# KiCad board AnalogFNN.kicad_pcb (continued)
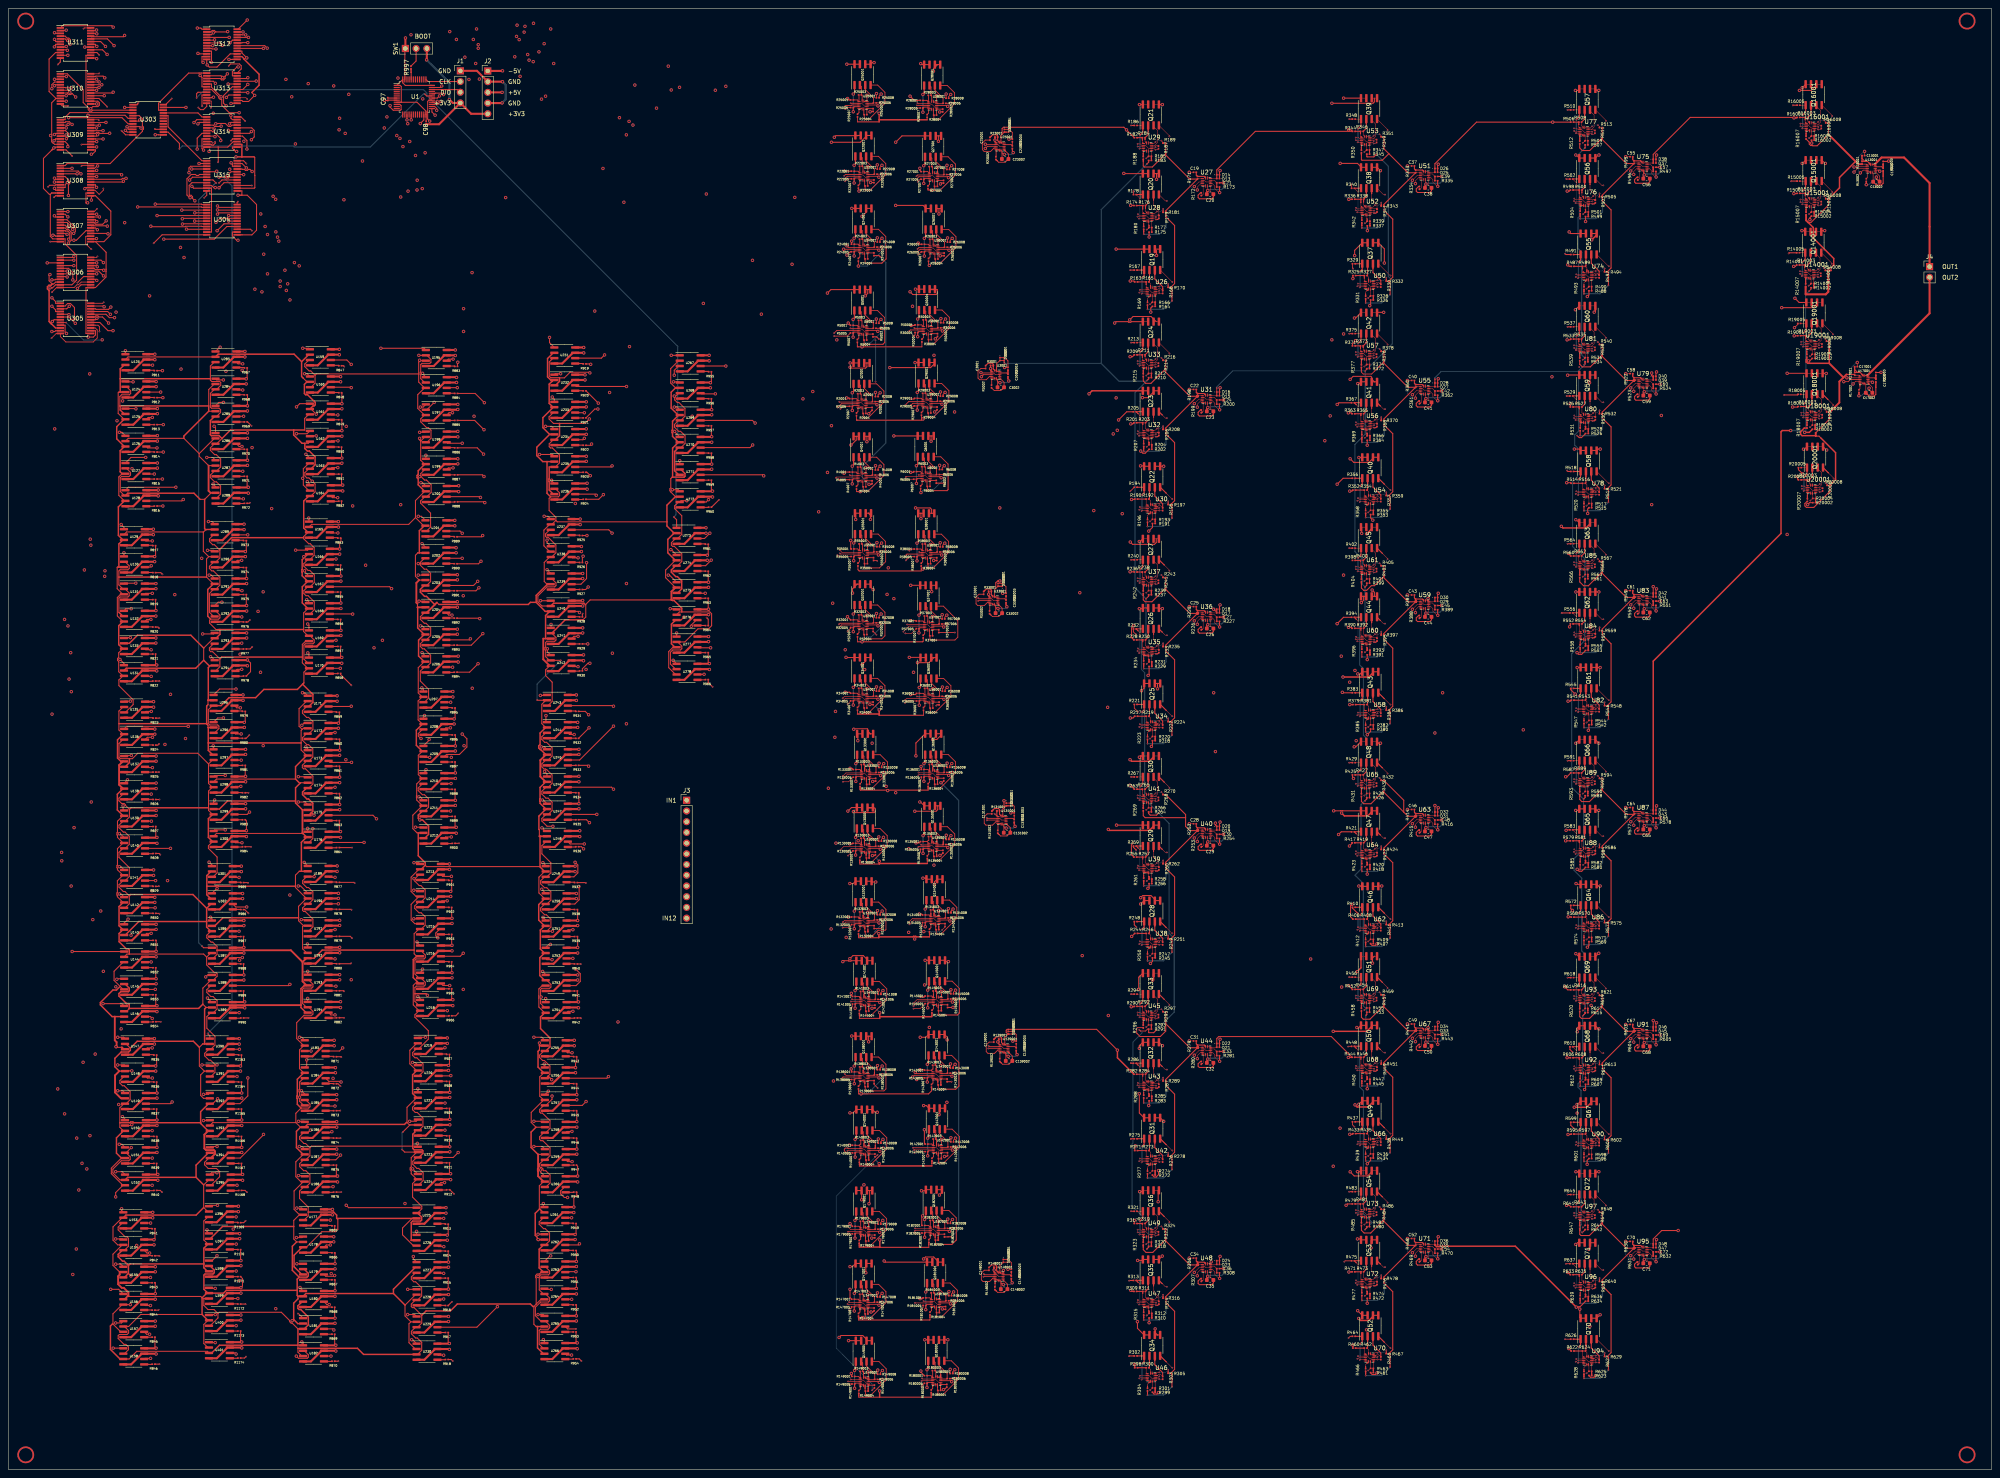
[diagram p0: board, top side]
## Routing (per net, layer and track width the routed paths; a pad name or vN(x,y) marks a point on that pad's centre or on a via; arc(x,y) is an arc through that point) (continued)
/Neuron6_3/Adder2/SUM_IN: length 74.7
  Top w0.1: U36.1 281.91,203.15
  Top w0.25: 274.28,209.07 274.28,208.73 279.98,203.03 R225.1 274.28,195.51 R235.2 274.36,195.07 v2(274.36,194.05) 276.38,192.03 276.38,178.25 R224.2 ; 274.28,209.07 271.01,205.8 269.4,205.8 268.96,206.24 268.96,207.29 ; 274.28,209.07 R243.2 ; 269.06,190.54 R234.2 269.06,190.54 ; 269.06,190.54 v2(269.06,189.95) ; 269.96,172.65 R223.2 269.96,172.65 ; 269.96,172.65 v2(269.96,172.15) ; 275.62,177.21 R224.2 ; 275.62,177.21 R224.2 ; 275.62,177.21 275.76,177.07 v2(275.76,174.15) ; 268.96,207.29 R242.2 268.96,207.29 ; 281.91,203.15 281.85,203.09
  Top w0.551: 281.85,203.09 R225.1
  Top w0.651: 281.85,203.09 R225.1
  Bottom w0.25: v2(269.96,172.15) 273.76,172.15 v2(275.76,174.15) ; v2(269.06,189.95) 272.76,189.95 274.36,191.55 v2(274.36,194.05)
/Neuron6_4/Adder2/SUM_IN: length 76.8
  Top w0.1: U40.1 281.91,151.65
  Top w0.25: R250.2 v2(269.96,120.65) ; 275.62,125.71 275.76,125.57 v2(275.76,122.65) ; 275.62,125.71 R251.2 ; 275.62,125.71 R251.2 ; 278.99,154.61 278.99,155.34 R270.2 ; 278.99,154.61 278.97,154.6 269.4,154.6 268.96,155.04 R269.2 ; 278.99,154.61 278.99,152.52 279.98,151.53 R252.1 274.28,144.01 R262.2 ; 281.91,151.65 281.85,151.59 ; 269.06,139.04 R261.2 269.06,139.04 ; 269.06,139.04 v2(269.06,138.45) ; R251.2 276.38,126.75 276.38,140.53 v2(274.36,142.55) 274.36,143.57 274.32,143.61
  Top w0.551: 281.85,151.59 R252.1
  Top w0.651: 281.85,151.59 R252.1
  Bottom w0.25: v2(269.96,120.65) 273.76,120.65 v2(275.76,122.65) ; v2(269.06,138.45) 272.76,138.45 274.36,140.05 v2(274.36,142.55)
/Neuron6_5/Adder2/SUM_IN: length 77
  Top w0.1: U44.1 281.91,100.15
  Top w0.2: 268.89,104.8 267.6,104.8 267.4,104.6 267.4,103.5 267.5,103.4
  Top w0.25: R277.2 v2(269.96,69.15) ; 281.91,100.15 281.85,100.09 ; 275.62,74.21 R278.2 ; 275.62,74.21 275.76,74.07 v2(275.76,71.15) ; 275.62,74.21 R278.2 ; R278.2 276.38,75.25 276.38,89.02 v2(274.36,91.05) 274.36,92.07 R289.2 274.28,92.51 R279.1 279.98,100.03 274.28,105.73 ; R288.2 v2(269.06,86.95) ; 274.28,105.73 274.28,106.07 R297.2 ; 274.28,105.73 274.28,103.98 273,102.7 268.2,102.7 267.5,103.4
  Top w0.551: 281.85,100.09 R279.1
  Top w0.651: 281.85,100.09 R279.1
  Bottom w0.25: v2(269.96,69.15) 273.76,69.15 v2(275.76,71.15) ; v2(269.06,86.95) 272.76,86.95 274.36,88.55 v2(274.36,91.05)
/Neuron6_6/Adder2/SUM_IN: length 74.3
  Top w0.1: U48.1 281.91,48.65
  Top w0.25: 269.96,18.15 R304.2 269.96,18.15 ; 269.96,18.15 v2(269.96,17.65) ; 268.96,52.79 268.96,52.14 269.6,51.5 271.21,51.5 274.28,54.57 ; 268.96,52.79 R323.2 268.96,52.79 ; 269.06,36.04 v2(269.06,35.45) ; 269.06,36.04 R315.2 269.06,36.04 ; 274.28,54.57 R324.2 ; 274.28,54.57 274.28,54.23 279.98,48.53 R306.1 274.28,41.01 R316.2 ; 274.32,40.61 274.36,40.57 v2(274.36,39.55) 276.38,37.52 276.38,23.75 R305.2 ; R305.2 275.62,22.71 ; R305.2 275.62,22.71 ; 275.62,22.71 275.76,22.57 v2(275.76,19.65) ; 281.91,48.65 281.85,48.59
  Top w0.551: 281.85,48.59 R306.1
  Top w0.651: 281.85,48.59 R306.1
  Bottom w0.25: v2(269.06,35.45) 272.76,35.45 274.36,37.05 v2(274.36,39.55) ; v2(269.96,17.65) 273.76,17.65 v2(275.76,19.65)
/Neuron6_7/Adder2/SUM_IN: length 74.9
  Top w0.1: U51.1 333.61,307.65
  Top w0.25: 321.66,277.15 v2(321.66,276.65) ; 321.66,277.15 R331.2 321.66,277.15 ; R333.1 331.68,307.53 327.15,312.05 ; R333.1 325.98,300.01 R343.2 326.06,299.57 v2(326.06,298.55) 328.08,296.52 328.08,282.75 R332.2 327.46,281.57 v2(327.46,278.65) ; R333.1 333.61,307.65 ; 320.76,295.04 v2(320.76,294.45) ; 320.76,295.04 R342.2 320.76,295.04 ; 320.66,311.79 R350.2 320.66,311.79 ; 320.66,311.79 320.66,310.64 320.8,310.5 325.6,310.5 327.15,312.05 ; 327.15,312.05 325.98,313.23 325.98,313.4 R351.2
  Bottom w0.25: v2(327.46,278.65) 325.46,276.65 v2(321.66,276.65) ; v2(320.76,294.45) 324.46,294.45 326.06,296.05 v2(326.06,298.55)
/Neuron6_8/Adder2/SUM_IN: length 74.7
  Top w0.1: 333.61,256.78 U55.1
  Top w0.2: 323.76,260.48 323.08,259.8 321.1,259.8 320.66,260.24 320.66,260.48
  Top w0.25: R359.2 328.08,231.88 328.08,245.66 v2(326.06,247.68) 326.06,248.7 R370.2 325.98,249.14 333.2,256.37 ; R359.2 327.32,230.84 ; R359.2 327.32,230.84 ; R360.1 333.2,256.37 ; R360.1 333.61,256.78 333.81,256.78 ; R360.1 333.2,256.37 ; R360.1 331.68,256.66 325.98,262.36 325.98,262.7 ; 320.66,260.92 320.66,260.48 ; 320.66,260.92 R377.2 320.66,260.92 ; v2(327.46,227.78) 327.46,230.7 327.32,230.84 ; 321.66,226.28 R358.2 321.66,226.28 ; 321.66,226.28 v2(321.66,225.78) ; 320.76,244.17 v2(320.76,243.58) ; 320.76,244.17 R369.2 320.76,244.17 ; R378.2 325.98,262.7 ; 325.98,262.7 323.76,260.48
  Bottom w0.25: v2(326.06,247.68) 326.06,245.18 324.46,243.58 v2(320.76,243.58) ; v2(327.46,227.78) 325.46,225.78 v2(321.66,225.78)
/Neuron6_9/Adder2/SUM_IN: length 73.7
  Top w0.1: U59.1 333.61,205.91
  Top w0.25: 320.66,210.05 320.66,209.04 321.2,208.5 321.9,208.5 323.01,209.61 323.76,209.61 325.98,211.83 ; 320.66,210.05 R404.2 320.66,210.05 ; 325.98,211.83 325.98,211.49 331.68,205.79 R387.1 325.98,198.27 R397.2 326.06,197.83 v2(326.06,196.81) 328.08,194.78 328.08,181.01 R386.2 ; 325.98,211.83 R405.2 ; 333.61,205.91 333.55,205.85 ; 327.32,179.97 R386.2 ; 327.32,179.97 327.46,179.83 v2(327.46,176.91) ; 327.32,179.97 R386.2 ; R396.2 v2(320.76,192.71) ; R385.2 v2(321.66,174.91)
  Top w0.551: 333.55,205.85 R387.1
  Top w0.651: 333.55,205.85 R387.1
  Bottom w0.25: v2(326.06,196.81) 326.06,194.31 324.46,192.71 v2(320.76,192.71) ; v2(327.46,176.91) 325.46,174.91 v2(321.66,174.91)
/Neuron6_10/Adder2/SUM_IN: length 80.3
  Top w0.1: U63.1 333.61,155.04
  Top w0.25: 321.66,124.54 R412.2 321.66,124.54 ; 321.66,124.54 v2(321.66,124.04) ; R413.2 328.08,130.15 328.08,143.91 v2(326.06,145.94) 326.06,146.96 326.02,147 ; R413.2 327.32,129.1 ; R413.2 327.32,129.1 ; 330.69,155.91 325.98,160.62 325.98,160.96 322.92,157.9 321.2,157.9 320.66,158.44 R431.2 ; 330.69,155.91 330.69,158.73 R432.2 ; 330.69,155.91 331.68,154.92 R414.1 325.98,147.4 R424.2 ; 327.32,129.1 327.46,128.96 v2(327.46,126.04) ; R423.2 v2(320.76,141.84) ; 333.61,155.04 333.55,154.98
  Top w0.551: 333.55,154.98 R414.1
  Top w0.651: 333.55,154.98 R414.1
  Bottom w0.25: v2(321.66,124.04) 325.46,124.04 v2(327.46,126.04) ; v2(326.06,145.94) 326.06,143.44 324.46,141.84 v2(320.76,141.84)
/Neuron6_10/IN2: length 316.1
  Top w0.1: D15.2 U31.12 284.74,254.8 U31.13
  Top w0.2: R372.1 321.94,260.93 v2(321.55,260.55) ; D16.1 286.37,256.48 v2(286.36,256.5)
  Top w0.25: R453.1 321.94,107.94 v2(321.7,107.7) ; R345.1 321.94,311.36 322,311.3 323.6,311.3 v2(324.2,311.9) ; v2(321.5,56.9) 321.94,57.34 R480.1 ; R399.1 321.94,209.74 v2(321.5,209.3) ; v2(321.5,158.6) 321.94,159.04 R426.1 ; D16.1 D15.2
  Bottom w0.2: v2(321.55,260.55) 290.16,260.55 286.36,256.74 v2(286.36,256.5)
  Bottom w0.25: v2(324.2,311.9) 327.03,309.07 327.03,282.93 327.98,281.98 327.98,266.98 v2(321.55,260.55) 321.55,245.52 319.1,243.07 319.1,217.71 320.83,215.98 320.83,209.97 v2(321.5,209.3) 321.5,201.2 320.23,199.93 320.23,190.83 321.13,189.93 321.13,174.16 321.88,173.41 321.88,158.98 v2(321.5,158.6) 320.54,157.64 320.54,142.37 319.13,140.96 321.1,138.99 321.1,109.97 321.88,109.19 321.88,107.88 v2(321.7,107.7) 321.7,99.5 320.23,98.03 320.23,90.75 321.13,89.85 321.13,60.67 323.2,58.6 v2(321.5,56.9)
/Neuron6_10/IN3: length 320.3
  Top w0.1: U36.13 284.74,203.3 U36.12 D17.2
  Top w0.25: 286.37,203.6 286.06,203.6 v1(285.64,204.02) ; 286.37,203.6 D17.2 ; 286.37,203.6 D18.1 ; R433.1 318.48,79.51 v1(317.9,79.51) ; v1(317.89,232.04) 318.39,232.04 R352.1 ; R325.1 v1(318.64,282.44) ; R460.1 v1(318.64,29.51) ; v1(318.41,134.04) 318.08,133.72 318.08,131.1 R406.1 ; v1(317.9,181.4) 318.63,181.4
  In2.Cu w0.25: v1(285.64,184.22) 315.08,184.22 v1(317.9,181.4)
  In3.Cu w0.25: v1(318.41,134.04) 318.41,163.44 318.19,163.65 318.19,164.13 318.41,164.34 318.41,171.13 318.37,171.16 318.37,171.64 318.41,171.67 318.41,180.89 v1(317.9,181.4) 316.97,182.33 316.97,211.84 317,211.87 317,212.35 316.97,212.38 316.97,231.12 v1(317.89,232.04) 318.64,232.79 318.64,272.65 318.44,272.85 318.44,273.32 318.64,273.52 v1(318.64,282.44) ; 318.48,79.51 318.64,79.35 v1(318.64,29.51) ; v1(285.64,204.02) v1(285.64,184.22)
  In3.Cu w0.35: v1(317.9,79.51) 318.41,79.51 ; 318.41,79.51 v1(318.41,134.04) ; 318.41,79.51 318.48,79.51
/Neuron6_10/IN4: length 327
  Top w0.1: U40.13 284.74,151.8 U40.12 D19.2
  Top w0.25: R407.1 322.84,124.66 323.18,124.31 323.98,124.31 v1(324.35,124.68) ; v1(322.06,72.52) 322.84,73.3 R434.1 ; v1(324.35,22.94) 323.96,22.55 323.2,22.55 322.84,22.92 R461.1 ; R353.1 322.84,225.68 v1(323.36,225.15) ; v1(322.63,276.02) 322.84,276.23 R326.1 ; R380.1 322.84,175.04 v1(322.06,174.26) ; D19.2 D20.1 286.05,152.87 v1(286.05,153.3)
  In3.Cu w0.25: v1(286.05,170.27) v1(286.05,153.3) ; v1(322.63,276.02) 323.07,275.57 323.07,225.44 v1(323.36,225.15)
  In4.Cu w0.25: v1(286.05,170.27) 318.06,170.27 318.67,170.87 318.71,170.83 319.19,170.83 319.52,171.16 319.52,171.73 v1(322.06,174.26)
  In5.Cu w0.25: v1(324.35,22.94) 323.13,24.16 323.13,51.95 323.19,52 323.52,52.34 323.52,52.82 323.19,53.15 322.06,54.28 v1(322.06,72.52) ; 322.91,126.12 322.91,174.06 322.71,174.26 322.71,208.02 322.52,208.2 322.52,224.32 v1(323.36,225.15)
  In5.Cu w0.35: v1(324.35,124.68) 322.91,124.68 ; 322.91,124.68 322.91,126.12 ; 322.91,124.68 322.91,120.59 322.66,120.35 322.66,119.83 322.91,119.58 322.91,73.37 v1(322.06,72.52) ; 322.71,174.26 v1(322.06,174.26)
/Neuron6_10/IN5: length 300.4
  Top w0.1: D21.2 U44.12 284.74,100.3 U44.13
  Top w0.25: R417.1 318.44,148.49 v1(317.83,147.88) ; R390.1 318.22,199.73 v1(317.59,199.73) ; R336.1 317.71,301.25 v1(317.67,301.21) ; D21.2 D22.1 286.37,102.21 286.85,102.68 313.52,102.68 R444.1 ; R363.1 318.22,250.59 v1(317.56,250.59) ; v1(317.56,97.73) 318.4,97.73 ; v1(317.69,46.86) 317.73,46.9 R471.1
  In1.Cu w0.25: v1(317.69,46.86) 317.27,47.28 317.27,62.09 317.6,62.43 317.6,62.91 317.27,63.24 317.27,97.44 v1(317.56,97.73) 318.28,98.46 318.28,124.92 317.77,125.44 317.77,147.82 v1(317.83,147.88) ; 317.36,250.79 317.36,250.79 v1(317.56,250.59)
  In1.Cu w0.35: v1(317.59,199.73) 317.2,200.12 317.2,250.23 v1(317.56,250.59) ; v1(317.67,301.21) 317.28,300.82 317.28,250.87 317.36,250.79
  In5.Cu w0.25: v1(317.83,147.88) 317.24,148.46 317.24,199.38 v1(317.59,199.73)
/Neuron6_10/IN6: length 309.7
  Top w0.1: U48.13 284.74,48.8 U48.12 D23.2
  Top w0.25: v1(322.04,39.45) R472.1 ; 322.07,294.91 v1(322.07,293.81) ; 284.67,48.8 285.06,49.19 v1(285.06,49.26) ; v1(322.04,192.08) R391.1 ; v1(322.04,141.21) R418.1 ; v1(322.04,242.92) R364.1 ; v1(322.04,90.32) R445.1 ; D24.1 D23.2
  In3.Cu w0.25: v1(322.04,141.21) 322.73,140.52 322.73,120.34 322.71,120.33 322.71,119.85 322.73,119.83 322.73,91.01 v1(322.04,90.32) ; v1(322.04,192.08) 322.04,208.55 322.68,209.19 322.68,242.28 v1(322.04,242.92) 321.83,243.13
  In3.Cu w0.35: v1(322.07,293.81) 320.93,292.66 320.93,244.03 321.83,243.13
  In4.Cu w0.25: v1(285.06,49.26) 294.87,39.45 v1(322.04,39.45)
  In5.Cu w0.25: v1(322.04,39.45) 320.87,40.62 320.87,89.15 v1(322.04,90.32) ; v1(322.04,141.21) 322.04,163.54 321.23,164.35 321.23,191.28 v1(322.04,192.08)
/Neuron6_10/OUT: length 326.2
  Top w0.1: D31.2 U63.12 336.44,155.19 U63.13
  Top w0.25: v1(374.43,175.32) 374.58,175.46 R542.1 ; 374.58,22.25 374.94,21.89 375.77,21.89 v1(376.14,22.27) ; v1(374.16,72.39) 374.16,73.34 R596.1 ; R569.1 374.58,124.24 v1(374.22,123.89) ; R488.1 374.58,278.56 v1(374.19,278.18) ; D31.2 D32.1 v1(338.07,157.48) ; R515.1 374.28,227.8 v1(374.28,226.74)
  In3.Cu w0.25: v1(374.19,278.18) 374.47,277.89 374.47,258.31 374.15,257.98 374.15,257.51 374.47,257.18 374.47,226.93 v1(374.28,226.74) ; v1(338.07,157.48) v1(338.07,174.68)
  In4.Cu w0.25: v1(374.43,175.32) 373.79,174.68 v1(338.07,174.68)
  In5.Cu w0.25: v1(376.14,22.27) 374.16,24.25 374.16,51.83 373.99,52 373.99,52.48 374.16,52.65 v1(374.16,72.39) 374.48,72.71 374.48,123.63 v1(374.22,123.89) 374.22,124.48 373.57,125.13 373.57,142.57 374.43,143.43 v1(374.43,175.32) 374.43,199.35 374.29,199.5 374.29,199.97 374.43,200.12 374.43,226.59 v1(374.28,226.74)
/Neuron6_11/Adder2/SUM_IN: length 73.8
  Top w0.1: U67.1 333.61,104.17
  Top w0.25: 320.76,91.56 v2(320.76,90.97) ; 320.76,91.56 R450.2 320.76,91.56 ; R458.2 320.66,107.24 321.1,106.8 322.69,106.8 325.98,110.09 ; R440.2 328.08,79.27 328.08,93.05 v2(326.06,95.07) 326.06,96.09 326.02,96.13 ; R440.2 327.32,78.23 ; R440.2 327.32,78.23 ; v2(327.46,75.17) 327.46,78.09 327.32,78.23 ; 333.61,104.17 333.55,104.11 ; 325.98,110.09 325.98,109.75 331.68,104.05 R441.1 325.98,96.53 R451.2 ; 325.98,110.09 R459.2 ; R439.2 v2(321.66,73.17)
  Top w0.551: 333.55,104.11 R441.1
  Top w0.651: 333.55,104.11 R441.1
  Bottom w0.25: v2(321.66,73.17) 325.46,73.17 v2(327.46,75.17) ; v2(320.76,90.97) 324.46,90.97 326.06,92.57 v2(326.06,95.07)
/Neuron6_11/OUT: length 304.5
  Top w0.1: U67.13 336.44,104.32 U67.12 D33.2
  Top w0.25: v1(369.43,303.19) 369.93,303.19 R498.1 ; v1(369.57,46.73) 369.67,46.73 R633.1 ; R552.1 370.18,200.03 v1(369.99,199.84) ; 336.14,104.32 336.45,104.62 v1(336.45,104.79) ; R525.1 v1(370.18,252.74) ; 370.17,149.1 v1(369.06,149.1) ; D34.1 D33.2 ; v1(369.4,97.68) 370.16,97.68
  In2.Cu w0.25: v1(336.45,104.79) 362.3,104.79 v1(369.4,97.68)
  In3.Cu w0.25: 369.53,200.31 v1(369.99,199.84) 370.29,199.54 370.29,150.33 v1(369.06,149.1) ; v1(369.4,97.68) 368.99,97.27 368.99,67.1 369.93,66.16 369.93,47.08 v1(369.57,46.73)
  In3.Cu w0.35: v1(370.18,252.74) 370.18,223.37 369.06,222.25 369.06,200.77 369.53,200.31
  In5.Cu w0.25: v1(369.06,149.1) 369.05,149.09 369.05,115.08 369.08,115.05 369.42,114.71 369.42,114.24 369.05,113.87 369.05,98.03 v1(369.4,97.68) ; v1(370.18,252.74) 370.53,253.09 370.53,302.08 v1(369.43,303.19)
/Neuron6_12/Adder2/SUM_IN: length 73.7
  Top w0.1: U71.1 333.61,53.3
  Top w0.25: v2(327.46,24.3) 327.46,27.22 327.32,27.36 ; 325.98,59.22 322.86,56.1 321.3,56.1 320.66,56.74 R485.2 ; 325.98,59.22 325.98,58.88 331.68,53.18 R468.1 ; 325.98,59.22 R486.2 ; 327.32,27.36 R467.2 ; 327.32,27.36 R467.2 ; R467.2 328.08,28.4 328.08,42.18 v2(326.06,44.2) 326.06,45.22 R478.2 325.98,45.66 333.2,52.89 ; R468.1 333.2,52.89 ; R468.1 333.2,52.89 ; R468.1 333.61,53.3 ; 321.66,22.8 v2(321.66,22.3) ; 321.66,22.8 R466.2 321.66,22.8 ; R477.2 v2(320.76,40.1)
  Bottom w0.25: v2(321.66,22.3) 325.46,22.3 v2(327.46,24.3) ; v2(320.76,40.1) 324.46,40.1 326.06,41.7 v2(326.06,44.2)
/Neuron6_12/OUT: length 318.2
  Top w0.1: U71.13 336.44,53.45 U71.12 D35.2
  Top w0.25: R553.1 372.85,193.32 372.16,193.32 v1(371.76,193.72) ; v1(371.79,142.36) 372.27,141.88 372.85,141.88 R580.1 ; D36.1 D35.2 ; v1(373.78,295.97) R499.1 ; R526.1 372.81,244.73 372.26,244.73 v2(371.79,245.2) ; v1(373.55,90.13) 373.78,90.36 R607.1 ; v1(371.58,38.52) 372.07,38.52 372.18,38.63 372.49,38.63 R634.1
  Top w0.35: D35.2 338.07,53.23 338.44,52.87 339.13,52.87 339.23,52.97 357.12,52.97 v1(371.58,38.52)
  In1.Cu w0.25: v1(371.76,193.72) 372.42,194.38 372.42,233.8 371.61,234.61 371.61,241.68 371.69,241.76 371.69,242.24 371.61,242.32 371.61,245.03 v2(371.79,245.2)
  In5.Cu w0.25: v1(371.76,193.72) 370.58,192.54 370.58,143.57 v1(371.79,142.36) 372.93,141.21 372.93,123.62 373.68,122.87 373.68,90.26 v1(373.55,90.13) 372.96,89.54 372.96,58.33 373.53,57.77 373.53,41.53 371.58,39.58 v1(371.58,38.52) ; v2(371.79,245.2) 372.65,246.06 372.65,261.04 372.84,261.22 372.84,261.7 372.65,261.89 372.65,294.84 v1(373.78,295.97)
/Neuron6_13/Adder2/SUM_IN: length 74.7
  Top w0.1: U75.1 385.36,309.84
  Top w0.25: v2(379.2,280.84) 379.2,283.76 R494.2 379.82,284.94 379.82,298.71 v2(377.8,300.74) 377.8,301.76 R505.2 ; 373.4,279.34 R493.2 373.4,279.34 ; 373.4,279.34 v2(373.4,278.84) ; 384.33,309.72 383.42,309.72 377.72,315.42 377.72,315.59 ; 384.33,309.72 R495.1 ; 384.33,309.72 R495.1 ; R512.2 372.4,313.4 373,312.8 374.76,312.8 377.72,315.76 377.72,315.59 ; 385.36,309.84 R495.1 ; R495.1 377.72,302.2 377.72,302.02 ; 377.72,302.02 R505.2 ; 377.72,302.02 R505.2 ; 377.72,315.59 R513.2 ; 372.5,297.23 R504.2 372.5,297.23 ; 372.5,297.23 v2(372.5,296.64)
  Bottom w0.25: v2(379.2,280.84) 377.2,278.84 v2(373.4,278.84) ; v2(372.5,296.64) 376.2,296.64 377.8,298.24 v2(377.8,300.74)
/Neuron6_13/IN1: length 308.1
  Top w0.1: U51.13 336.44,307.8 U51.12 D25.2
  Top w0.25: v1(369.4,267.9) 370.09,267.9 R533.1 ; R641.1 369.93,62.67 v1(369.28,62.67) ; R506.1 v1(365.99,319.54) 347.94,319.54 338.07,309.68 D26.1 D25.2 ; R560.1 369.81,217.12 v1(369.81,217.26) ; v1(369.06,164.29) 369.36,164.29 R587.1 ; v1(368.84,114.47) 369.56,113.76 R614.1
  In1.Cu w0.25: v1(369.81,217.26) 369.99,217.45 369.99,251.44 370.84,252.28 370.84,259.11 369.4,260.54 v1(369.4,267.9)
  In3.Cu w0.25: v1(368.84,114.47) 368.64,114.27 368.64,63.31 v1(369.28,62.67)
  In5.Cu w0.25: v1(368.84,114.47) 368.44,114.88 368.44,163.98 368.75,164.29 ; v1(365.99,319.54) 365.99,290.55 370.18,286.36 370.18,268.68 v1(369.4,267.9)
  In5.Cu w0.35: 368.98,164.29 368.98,216.44 v1(369.81,217.26) ; 368.98,164.29 368.75,164.29 ; 368.98,164.29 v1(369.06,164.29)
/Neuron6_13/IN2: length 311.6
  Top w0.1: D27.2 U55.12 336.44,256.93 U55.13
  Top w0.25: v2(373.5,262.02) 373.68,262.2 R534.1 ; v2(373.6,313.4) 373.68,313.48 R507.1 ; R561.1 373.68,210.48 v2(373.6,210.4) ; R588.1 373.68,159.38 v2(373.3,159) ; v2(338.06,258.6) 338.07,258.58 D28.1 D27.2 ; R615.1 373.68,108.18 v2(373.1,107.6) ; 373.68,56.87 v2(373.01,56.2)
  Bottom w0.25: 371.94,260.4 339.55,260.4 338.06,258.91 v2(338.06,258.6) ; 371.94,260.4 372.12,260.22 372.12,246.28 371.2,245.36 371.2,242.95 371.84,242.3 371.84,235.44 370.7,234.3 370.7,218.89 373.62,215.97 373.62,210.42 v2(373.6,210.4) 373.6,196.58 370.5,193.48 370.5,161.8 v2(373.3,159) 373.3,147.1 371.06,144.86 371.06,142.06 372.87,140.25 372.87,123.01 373.62,122.26 373.62,108.12 v2(373.1,107.6) 373.1,92.61 371.97,91.48 371.97,90.64 372.72,89.9 372.72,58.02 372.57,57.87 372.57,56.63 v2(373.01,56.2) ; 371.94,260.4 373.5,261.96 v2(373.5,262.02) 373.62,262.15 373.62,263.58 372.87,264.33 372.87,288.73 371.97,289.63 371.97,296.86 372.28,297.16 372.28,312.08 v2(373.6,313.4)
/Neuron6_13/IN3: length 322.7
  Top w0.1: D29.2 U59.12 336.44,206.06 U59.13
  Top w0.25: v1(336.45,206.54) 336.45,206.19 336.32,206.06 ; R541.1 370.15,182.22 v1(369.63,182.22) ; R622.1 v1(369.81,28.69) ; v1(369.62,79.46) 370.27,79.46 R595.1 ; R514.1 370.24,234.03 v1(369.31,234.03) ; R487.1 369.91,285.34 v1(369.55,285.69) ; v1(369.66,131.08) 370.3,131.08 ; D30.1 D29.2
  In2.Cu w0.25: v1(369.63,182.22) 367.64,184.22 v1(339.89,184.22)
  In3.Cu w0.25: v1(369.62,79.46) 370.28,78.8 370.28,38.13 370.05,37.91 370.05,37.43 370.28,37.2 370.28,29.15 v1(369.81,28.69) ; v1(369.63,182.22) 368.66,183.19 368.66,233.37 v1(369.31,234.03) ; v1(336.45,206.54) 339.89,203.1 v1(339.89,184.22)
  In5.Cu w0.25: v1(369.62,79.46) 370.05,79.89 370.05,130.7 v1(369.66,131.08) 369.94,131.36 369.94,181.91 v1(369.63,182.22) ; v1(369.55,285.69) 368.75,284.89 368.75,234.59 v1(369.31,234.03)
/Neuron6_13/OUT: length 129.6
  Top w0.1: U75.13 388.19,309.99 U75.12 D37.2
  Top w0.25: 389.82,310.29 D38.1 ; 389.82,310.29 D38.1 ; 389.82,310.29 D37.2 ; D38.1 389.82,311.9 398.57,320.65 R16001.1 423.8,320.54 v1(423.19,320.54) ; v1(424.02,235.47) 424.02,234.91 R20001.1
  In5.Cu w0.25: v1(423.19,320.54) 424.02,319.7 v1(424.02,235.47)
/Neuron6_14/Adder2/SUM_IN: length 72.3
  Top w0.1: U79.1 385.36,258.39
  Top w0.25: 377.72,264.31 377.72,263.97 383.42,258.27 R522.1 377.72,250.76 R532.2 377.8,250.31 v2(377.8,249.29) 379.82,247.27 379.82,233.5 R521.2 379.2,232.31 v2(379.2,229.39) ; 377.72,264.31 374.9,261.5 373,261.5 372.41,262.09 372.4,262.09 R539.2 ; 377.72,264.31 R540.2 ; 385.36,258.39 385.3,258.33 ; R520.2 v2(373.4,227.39) ; R531.2 v2(372.5,245.19)
  Top w0.551: 385.3,258.33 385.3,258.33 R522.1
  Top w0.651: 385.3,258.33 R522.1
  Bottom w0.25: v2(372.5,245.19) 376.2,245.19 377.8,246.79 v2(377.8,249.29) ; v2(379.2,229.39) 377.2,227.39 v2(373.4,227.39)
/Neuron6_14/OUT: length 161.6
  Top w0.1: D39.2 U79.12 388.19,258.54 U79.13
  Top w0.25: 389.82,258.84 D39.2 ; 389.82,258.84 389.82,259.07 ; 389.82,258.84 D40.1 389.82,259.07 ; v1(389.45,260.04) 389.45,259.44 389.82,259.07 ; 427.37,315.21 v1(427.37,314.57) ; v1(426.42,228.83) 426.89,229.3 R20002.1
  In2.Cu w0.25: v1(426.42,228.83) v1(389.45,228.83)
  In3.Cu w0.25: v1(389.45,260.04) v1(389.45,228.83)
  In5.Cu w0.25: v1(427.37,314.57) 427.43,314.51 427.43,296.75 427.52,296.65 427.52,296.18 427.43,296.08 427.43,289.35 427.83,288.95 427.83,231.26 426.42,229.85 v1(426.42,228.83)
/Neuron6_15/Adder2/SUM_IN: length 73.1
  Top w0.1: U83.1 385.36,206.95
  Top w0.25: R567.2 377.72,212.87 ; 377.72,212.87 374.45,209.6 373.3,209.6 372.4,210.5 R566.2 ; 377.72,212.87 377.72,212.53 383.42,206.83 R549.1 377.72,199.31 R559.2 377.8,198.87 v2(377.8,197.85) 379.82,195.82 379.82,182.06 R548.2 379.2,180.87 v2(379.2,177.95) ; 372.5,194.55 v2(372.5,193.75) ; 372.5,194.55 372.5,194.55 R558.2 372.5,194.55 ; R547.2 v2(373.4,175.95) ; 385.36,206.95 385.3,206.89
  Top w0.551: R549.1 385.3,206.89
  Top w0.651: 385.3,206.89 R549.1
  Bottom w0.25: v2(372.5,193.75) 376.2,193.75 377.8,195.35 v2(377.8,197.85) ; v2(373.4,175.95) 377.2,175.95 v2(379.2,177.95)
/Neuron6_15/OUT: length 114.4
  Top w0.1: D41.2 U83.12 388.19,207.1 U83.13
  Top w0.25: R18001.1 424,251.96 v1(422.85,251.96) ; 389.82,207.4 D42.1 ; 389.82,207.4 D41.2 ; 389.82,207.4 D42.1 ; D42.1 v1(389.82,209.38) ; v1(423.09,285.33) 423.5,285.33 R14001.1
  In2.Cu w0.25: v1(391.74,249.97) 420.86,249.97 v1(422.85,251.96)
  In3.Cu w0.25: v1(391.74,249.97) 391.74,211.3 v1(389.82,209.38) ; v1(422.85,251.96) 422.57,252.24 422.57,284.81 v1(423.09,285.33)
/Neuron6_16/Adder2/SUM_IN: length 73.6
  Top w0.1: U87.1 385.36,155.51
  Top w0.25: R576.1 385.36,155.51 385.55,155.51 ; R576.1 384.95,155.1 ; R576.1 384.95,155.1 ; R576.1 383.42,155.39 377.72,161.09 377.72,161.43 ; 384.95,155.1 377.72,147.87 R586.2 377.8,147.43 v2(377.8,146.41) 379.82,144.38 379.82,130.61 R575.2 379.2,129.43 v2(379.2,126.51) ; R585.2 v2(372.5,142.31) ; R574.2 v2(373.4,124.51) ; R594.2 377.72,161.43 ; 377.72,161.43 374.69,158.4 372.9,158.4 372.4,158.9 372.4,159.65 ; 372.4,159.65 R593.2 372.4,159.65
  Bottom w0.25: v2(377.8,146.41) 377.8,143.91 376.2,142.31 v2(372.5,142.31) ; v2(373.4,124.51) 377.2,124.51 v2(379.2,126.51)
/Neuron6_16/OUT: length 148.9
  Top w0.1: D43.2 U87.12 388.19,155.66 U87.13
  Top w0.2: R14002.1 427.22,279.92 v2(426.7,279.4)
  Top w0.25: 389.82,155.96 D44.1 389.82,155.96 ; 389.82,155.96 D43.2
  Top w0.35: v1(425.7,245.97) 426.8,245.97 R18002.1 ; D44.1 389.82,191.72 420.1,222 420.1,246.1 420.4,246.4 v1(422.4,246.4)
  Bottom w0.2: v1(425.7,245.97) 426,246.26 426,262.56 425.93,262.63 425.93,278.63 v2(426.7,279.4)
  Bottom w0.35: v1(425.7,245.97) 425.27,246.4 v1(422.4,246.4)
/Neuron6_17/Adder2/SUM_IN: length 72.6
  Top w0.1: U91.1 385.36,104.06
  Top w0.25: 377.72,109.98 377.72,109.64 383.42,103.94 R603.1 377.72,96.42 R613.2 377.8,95.98 v2(377.8,94.96) 379.82,92.94 379.82,79.17 R602.2 379.2,77.98 v2(379.2,75.06) ; 377.72,109.98 R621.2 ; 377.72,109.98 374.74,107 372.8,107 372.4,107.4 R620.2 ; R601.2 v2(373.4,73.06) ; 385.36,104.06 385.3,104 ; R612.2 v2(372.5,90.86)
  Top w0.551: 385.3,104 385.3,104 R603.1
  Top w0.651: 385.3,104 R603.1
  Bottom w0.25: v2(372.5,90.86) 376.2,90.86 377.8,92.46 v2(377.8,94.96) ; v2(379.2,75.06) 377.2,73.06 v2(373.4,73.06)
/Neuron6_17/OUT: length 217.4
  Top w0.1: D45.2 U91.12 388.19,104.21 U91.13
  Top w0.25: 389.82,104.51 D46.1 ; 389.82,104.51 D45.2 ; 389.82,104.51 D46.1 ; D46.1 v1(389.82,106.48) ; v1(423.14,302.59) 423.86,302.59 ; v1(423.23,268.86) 424.05,268.86
  In3.Cu w0.25: v1(423.23,268.86) 423.23,252.4 423.43,252.2 423.43,251.73 423.23,251.53 423.23,139.89 v1(389.82,106.48)
  In5.Cu w0.25: v1(423.23,268.86) 422.43,269.67 422.43,301.87 v1(423.14,302.59)
/Neuron6_18/Adder2/SUM_IN: length 74.6
  Top w0.1: U95.1 385.36,52.62
  Top w0.25: R648.2 377.72,58.2 ; 377.72,58.2 383.42,52.5 R630.1 377.72,44.98 R640.2 377.8,44.54 v2(377.8,43.52) 379.82,41.49 379.82,27.72 R629.2 379.2,26.54 v2(379.2,23.62) ; 377.72,58.2 377.72,58.54 374.68,55.5 372.7,55.5 372.4,55.8 372.4,56.76 ; 373.4,22.12 v2(373.4,21.62) ; 373.4,22.12 R628.2 373.4,22.12 ; 372.5,40.01 v2(372.5,39.42) ; 372.5,40.01 R639.2 372.5,40.01 ; 372.4,56.76 R647.2 372.4,56.76 ; 385.36,52.62 385.3,52.56
  Top w0.551: R630.1 385.3,52.56
  Top w0.651: 385.3,52.56 R630.1
  Bottom w0.25: v2(377.8,43.52) 377.8,41.02 376.2,39.42 v2(372.5,39.42) ; v2(379.2,23.62) 377.2,21.62 v2(373.4,21.62)
/Neuron6_18/OUT: length 266.7
  Top w0.1: D47.2 U95.12 388.19,52.77 U95.13
  Top w0.25: D48.1 389.82,53.07 ; D48.1 389.82,53.07 ; D48.1 389.82,54.68 391.83,56.69 v1(395.73,56.69) ; 389.82,53.07 D47.2 ; R19002.1 426.91,262.92 v1(426.63,262.92) ; v1(426.94,296.42) 426.94,296.88 R15002.1
  In5.Cu w0.25: v1(395.73,56.69) 395.73,200.25 426.43,230.94 426.43,262.71 v1(426.63,262.92) 427.34,263.62 427.34,277.96 427.48,278.09 427.48,278.57 427.34,278.71 427.34,288.94 426.94,289.33 v1(426.94,296.42)
/NRST: length 2.1
  Top w0.25: 89.97,325.25 U1.7
/OutNeuron_1/AdderOut1/SUM_IN: length 71.2
  Top w0.15: R13001.1 440.32,309.58 440.54,309.35
  Top w0.25: R16007.2 426.79,314.78 426.79,314.33 427.13,313.99 427.59,313.99 427.65,313.93 428.67,313.93 431.36,316.62 R16008.2 ; 426.53,295.75 427.22,295.75 431.36,299.9 R15008.2 ; 440.43,309.47 U13001.1 ; 431.93,285.02 431.93,284.35